# Altium PCB TI_PCB_COPY.PcbDoc
Units mm, origin at the board's own origin, x right, y up, seen from the top; angles counter-clockwise.
Board outline 184 x 161.42 mm, 2 copper layers (Top Layer, Bottom Layer); 81 components, 68 nets, 306 pads, 67 vias.
Unrouted connection lines stored in the file: 5.
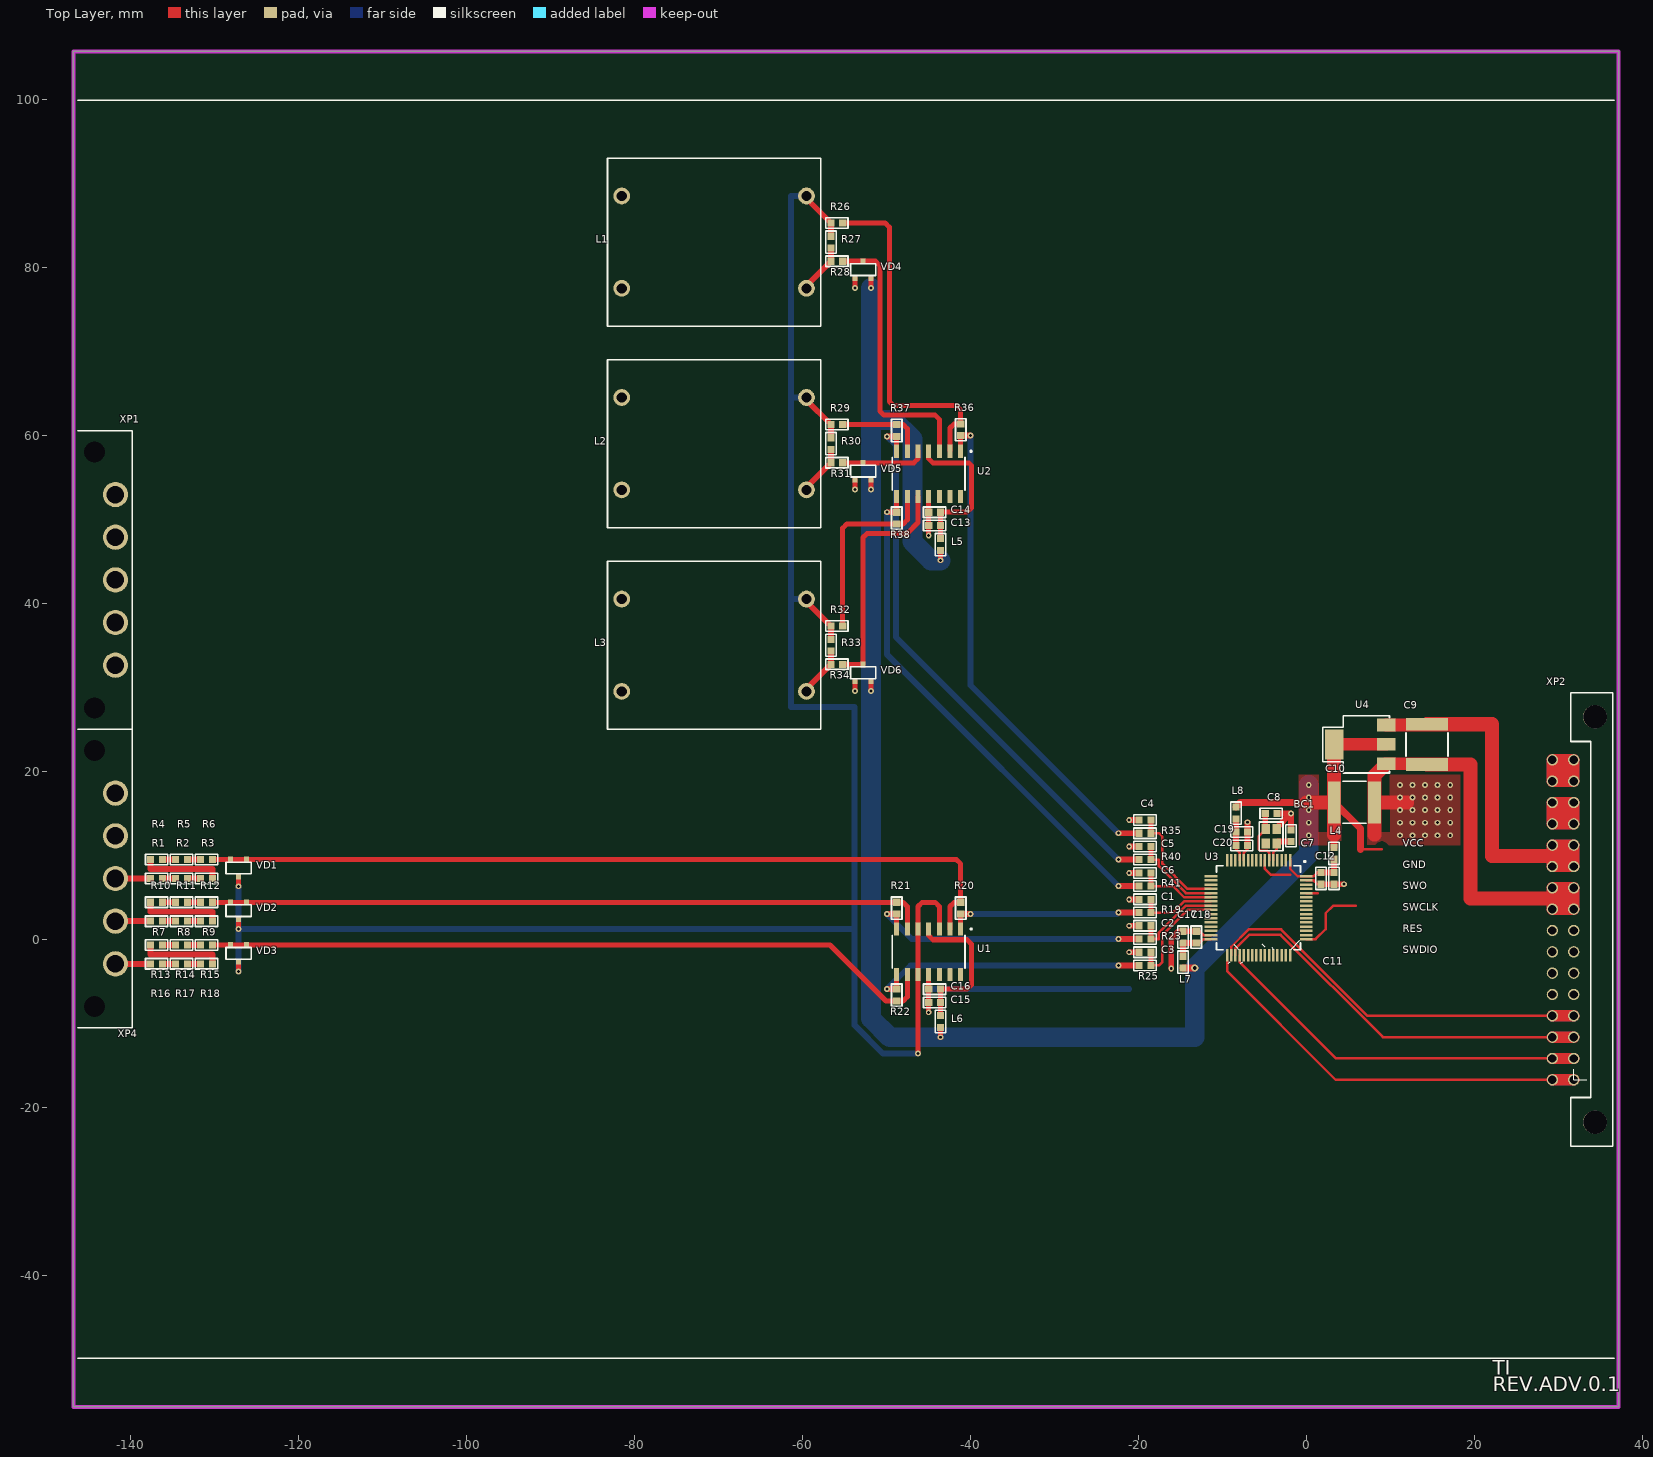
[diagram p0: Top Layer view]
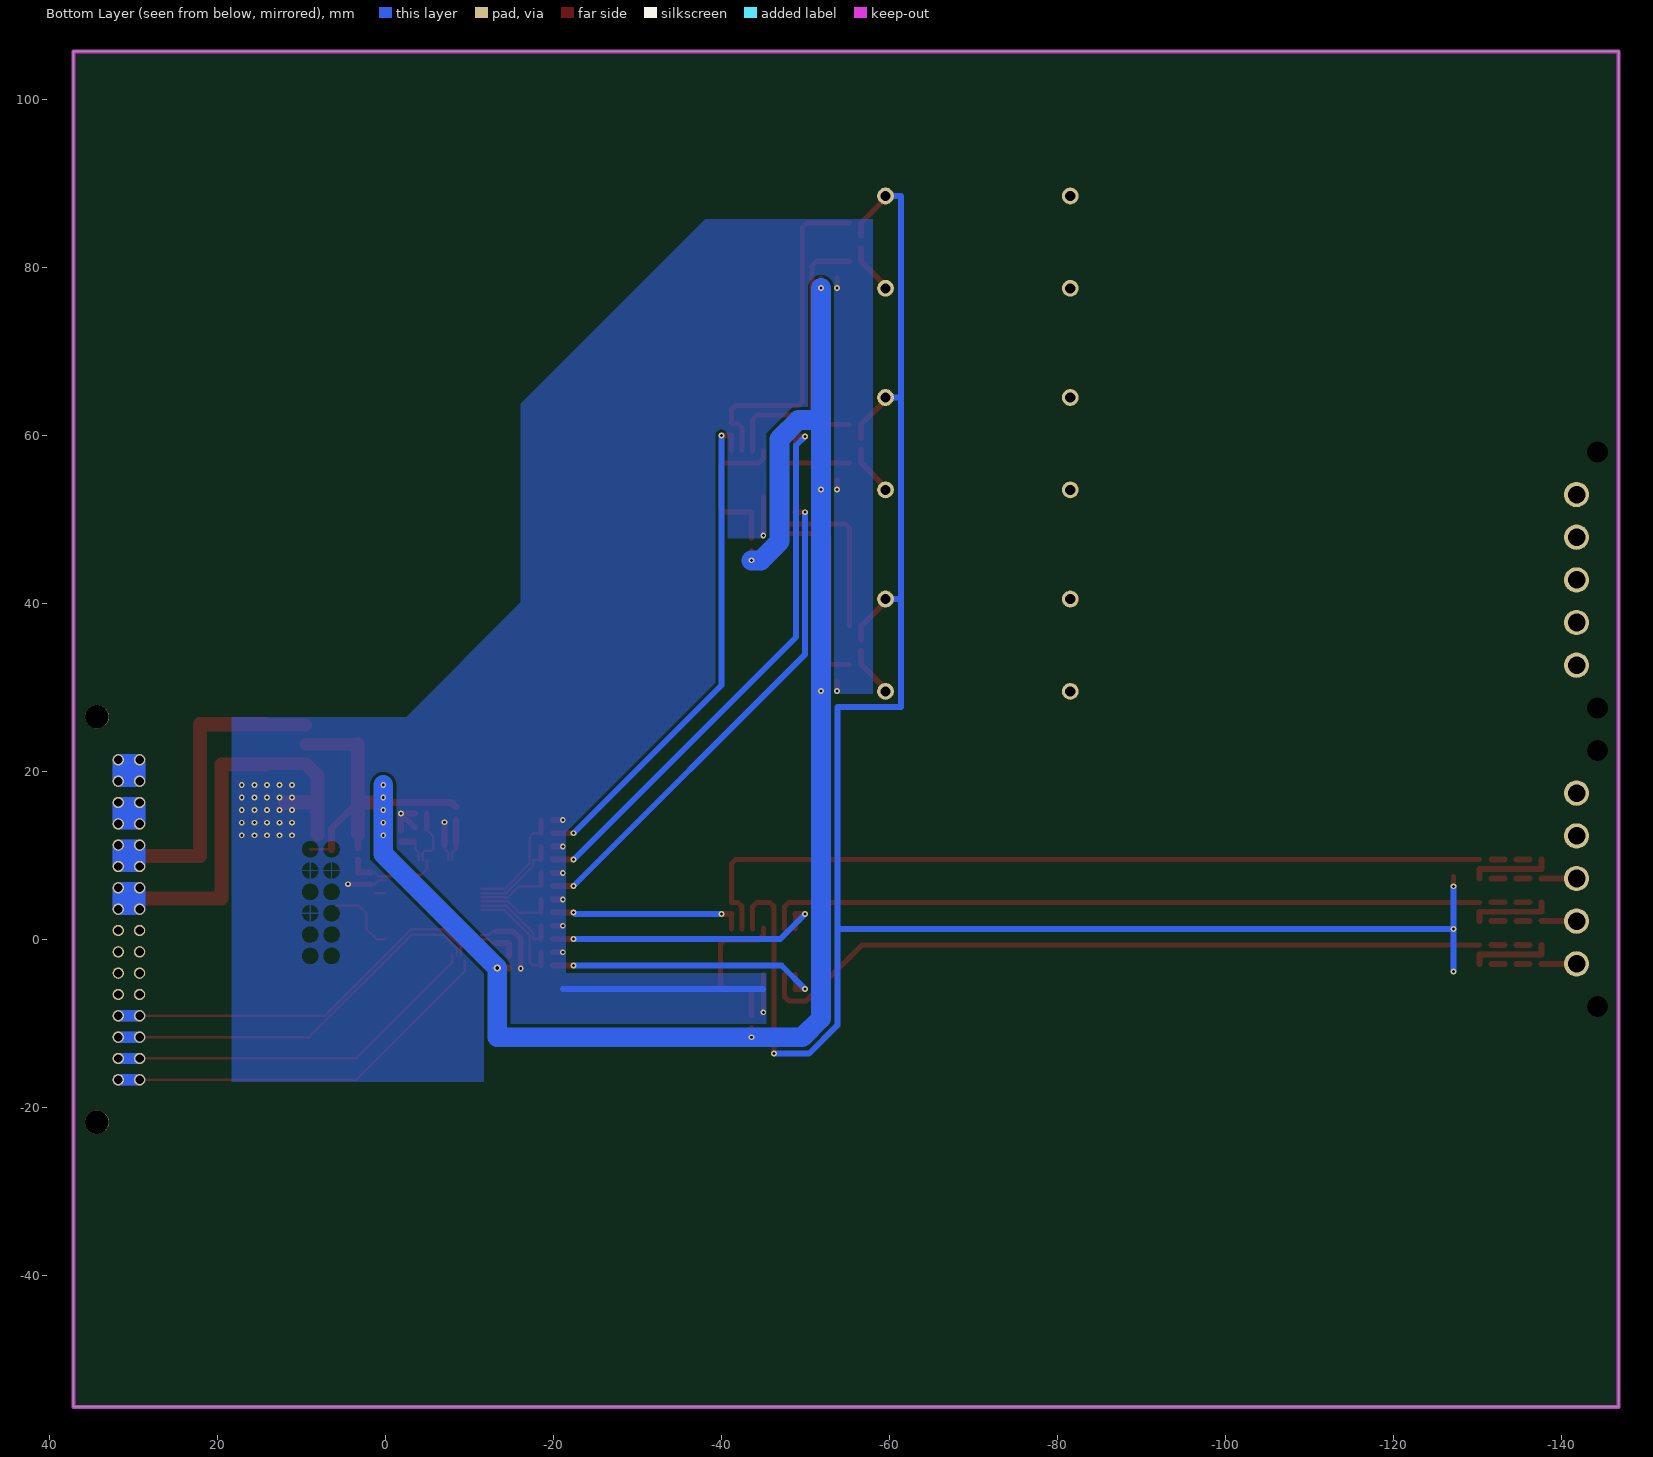
[diagram p1: Bottom Layer view, seen from below]
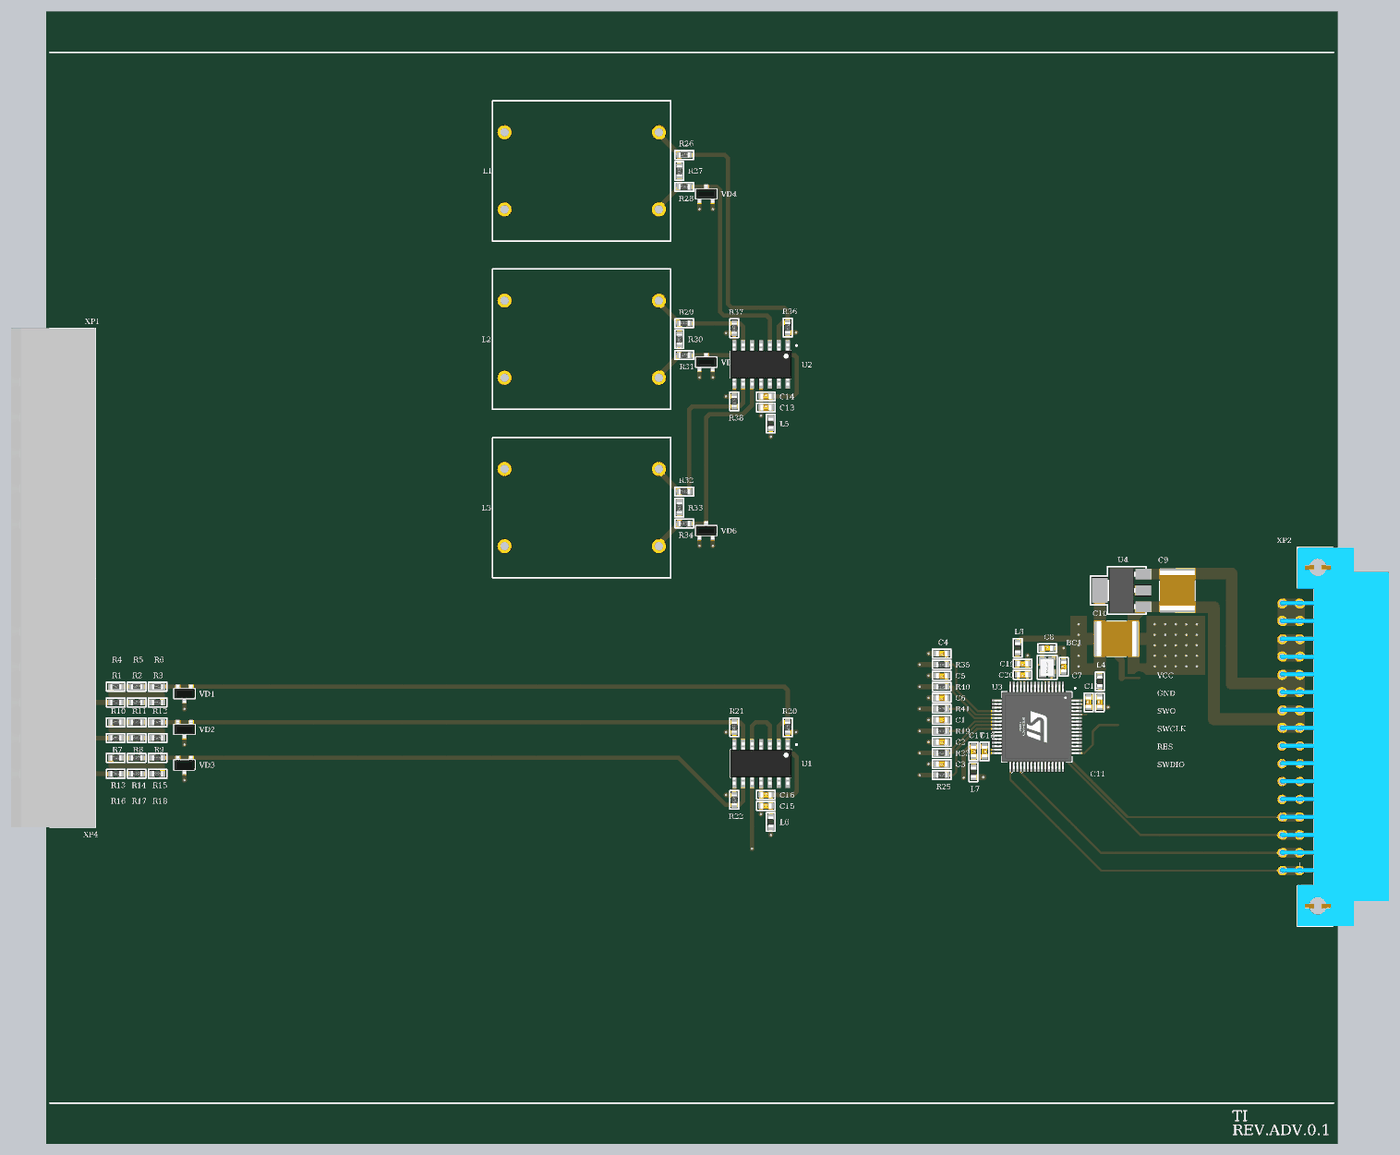
[diagram p2: 3D render of the assembled board from above, using the file's embedded part models]

## Layer stack, top to bottom
Top Solder: solder mask 0.0102, Solder Resist, Dk 3.5
Top Layer: signal copper 0.0356
Dielectric 1: dielectric 0.32, FR-4, Dk 4.8
Bottom Layer: signal copper 0.0356
Bottom Solder: solder mask 0.0102, Solder Resist, Dk 3.5

## Board outline
-146.801,-55.703 -146.801,105.72 37.199,105.72 37.199,-54.553 37.199,-55.703

## Design rules (kind name [scope] priority, off if disabled: settings)
BoardOutlineClearance [All] p1: gap=0.3 ignorepadtopadclearanceinfootprint=FALSE
Clearance Clearance_MultiLayerPad [OnLayer('Multi-Layer') and IsPad] p1: gap=0.2 ignorepadtopadclearanceinfootprint=FALSE except(0: Arc-Hole Track-Hole SMDPad-Hole THPad-Hole Via-Hole Fill-Hole Poly-Hole Region-Hole Text-Hole)
Clearance Clearance_Polygon [InPolygon] p2: gap=0.4 ignorepadtopadclearanceinfootprint=FALSE except(0: Arc-Hole Track-Hole SMDPad-Hole THPad-Hole Via-Hole Fill-Hole Poly-Hole Region-Hole Text-Hole)
Clearance [All] p3: gap=0.1 ignorepadtopadclearanceinfootprint=FALSE except(0: Arc-Hole Track-Hole SMDPad-Hole THPad-Hole Via-Hole Fill-Hole Poly-Hole Region-Hole Text-Hole)
ComponentClearance [All] p1: gap=0 collisioncheckmode=3 verticalgap=0 showdistances=FALSE
DiffPairsRouting [All] p1: maxlimit=0.3 minlimit=0.1 mostfreqgap=0.15 toplayer_minwidth=0.1 toplayer_maxwidth=0.3 toplayer_prefwidth=0.15 bottomlayer_minwidth=0.1 bottomlayer_maxwidth=0.3 bottomlayer_prefwidth=0.15 maxuncoupledlength=12.7
Height [All] p1: minheight=0 maxheight=50 prefheight=12.7
HoleSize [All] p1: absolutevalues=TRUE maxlimit=10 minlimit=0.3 maxpercent=80.000 minpercent=20.000
HoleToHoleClearance [All] p1: gap=0.3 allowstackedmicrovias=TRUE
MinimumSolderMaskSliver [All] p1: minsoldermaskwidth=0.2
PlaneClearance [All] p1: clearance=0.5
PlaneConnect [All] p1: planeconnectstyle=Relief reliefexpansion=0.5 reliefentries=4 reliefconductorwidth=0.2 reliefairgap=0.2
PolygonConnect PolygonConnect_PadGND [InNet('GND') and IsPad] p1: connectstyle=Relief reliefconductorwidth=0.2 reliefentries=4 polygonreliefangle="90 Angle" airgapwidth=0.2
PolygonConnect PolygonConnect_Via [IsVia] p2: connectstyle=Direct reliefconductorwidth=0.254 reliefentries=4 polygonreliefangle="90 Angle" airgapwidth=0.254
PolygonConnect [All] p3: connectstyle=Relief reliefconductorwidth=0.2 reliefentries=4 polygonreliefangle="90 Angle" airgapwidth=0.2
RoutingVias [All] p1: holewidth=0.2 width=0.4 viastyle="Through Hole" minholewidth=0.2 minwidth=0.4 maxholewidth=0.5 maxwidth=1.2
SilkToSolderMaskClearance [IsPad] p1: minsilkscreentomaskgap=0.2 clearancetoexposedcopper=TRUE
SolderMaskExpansion [All] p1: expansion=0.075 istentingtop=FALSE
Width [All] p1: maxlimit=10 minlimit=0.1 preferedwidth=0.1
21 further rules are at their usual default settings.

## Components (designator, comment, footprint, x,y, rotation, side; value= is the part's Value field where it differs from the comment)
BC1 "NX2520SA-24.000000MHZ-B8" XTAL_NX2520SA-24.000000MHZ-B8 -4.17,12.25 r90 top
C1 "ValueManufacturerPartNumber" "CAP: 0603" -19.198,4.75 r180 top
C2 "ValueManufacturerPartNumber" "CAP: 0603" -19.198,1.6 r180 top
C3 "ValueManufacturerPartNumber" "CAP: 0603" -19.198,-1.549 r180 top
C4 "ValueManufacturerPartNumber" "CAP: 0603" -19.198,14.199 r180 top
C5 "ValueManufacturerPartNumber" "CAP: 0603" -19.198,11.049 r180 top
C6 "ValueManufacturerPartNumber" "CAP: 0603" -19.198,7.9 r180 top
C7 "ValueManufacturerPartNumber" "CAP: 0603" -1.82,12.32 r90 top
C8 "ValueManufacturerPartNumber" "CAP: 0603" -4.17,14.97 r0 top
C9 "ValueManufacturerPartNumber" "CAP: 2220" 14.379,20.8 r180 top
C10 "ValueManufacturerPartNumber" "CAP: 2220" 8.13,16.3 r270 top
C11 "ValueManufacturerPartNumber" "CAP: 0603" 3.33,7.25 r90 top
C12 "ValueManufacturerPartNumber" "CAP: 0603" 1.755,7.25 r90 top
C13 "ValueManufacturerPartNumber" "CAP: 0603" -44.253,49.274 r0 top
C14 "ValueManufacturerPartNumber" "CAP: 0603" -44.253,50.849 r0 top
C15 "ValueManufacturerPartNumber" "CAP: 0603" -44.253,-7.526 r0 top
C16 "ValueManufacturerPartNumber" "CAP: 0603" -44.253,-5.951 r0 top
C17 "ValueManufacturerPartNumber" "CAP: 0603" -14.67,0.25 r270 top
C18 "ValueManufacturerPartNumber" "CAP: 0603" -13.095,0.25 r270 top
C19 "ValueManufacturerPartNumber" "CAP: 0603" -7.67,12.75 r180 top
C20 "ValueManufacturerPartNumber" "CAP: 0603" -7.67,11.175 r180 top
L1 "inductor" inductor -70.509,83.009 r90 top
L2 "inductor" inductor -70.509,59.009 r90 top
L3 "inductor" inductor -70.509,35.009 r90 top
L4 "ValueManufacturerPartNumber" "IND: 0603" 3.33,10.225 r90 top
L5 "ValueManufacturerPartNumber" "IND: 0603" -43.553,46.999 r270 top
L6 "ValueManufacturerPartNumber" "IND: 0603" -43.553,-9.8 r270 top
L7 "ValueManufacturerPartNumber" "IND: 0603" -14.67,-2.725 r270 top
L8 "ValueManufacturerPartNumber" "IND: 0603" -8.37,15.025 r90 top
R1 "ValueManufacturerPartNumber" "RES: 0603" -136.906,7.229 r0 top
R2 "ValueManufacturerPartNumber" "RES: 0603" -133.931,7.229 r0 top
R3 "ValueManufacturerPartNumber" "RES: 0603" -130.956,7.229 r0 top
R4 "ValueManufacturerPartNumber" "RES: 0603" -136.906,9.479 r0 top
R5 "ValueManufacturerPartNumber" "RES: 0603" -133.931,9.479 r0 top
R6 "ValueManufacturerPartNumber" "RES: 0603" -130.956,9.479 r0 top
R7 "ValueManufacturerPartNumber" "RES: 0603" -136.906,2.149 r0 top
R8 "ValueManufacturerPartNumber" "RES: 0603" -133.931,2.149 r0 top
R9 "ValueManufacturerPartNumber" "RES: 0603" -130.956,2.149 r0 top
R10 "ValueManufacturerPartNumber" "RES: 0603" -136.906,4.399 r0 top
R11 "ValueManufacturerPartNumber" "RES: 0603" -133.931,4.399 r0 top
R12 "ValueManufacturerPartNumber" "RES: 0603" -130.956,4.399 r0 top
R13 "ValueManufacturerPartNumber" "RES: 0603" -136.906,-2.931 r0 top
R14 "ValueManufacturerPartNumber" "RES: 0603" -133.931,-2.931 r0 top
R15 "ValueManufacturerPartNumber" "RES: 0603" -130.956,-2.931 r0 top
R16 "ValueManufacturerPartNumber" "RES: 0603" -136.906,-0.681 r0 top
R17 "ValueManufacturerPartNumber" "RES: 0603" -133.931,-0.681 r0 top
R18 "ValueManufacturerPartNumber" "RES: 0603" -130.956,-0.681 r0 top
R19 "ValueManufacturerPartNumber" "RES: 0603" -19.198,3.175 r180 top
R20 "ValueManufacturerPartNumber" "RES: 0603" -41.143,3.699 r270 top
R21 "ValueManufacturerPartNumber" "RES: 0603" -48.763,3.699 r90 top
R22 "ValueManufacturerPartNumber" "RES: 0603" -48.763,-6.651 r270 top
R23 "ValueManufacturerPartNumber" "RES: 0603" -19.198,0.025 r180 top
R25 "ValueManufacturerPartNumber" "RES: 0603" -19.198,-3.124 r0 top
R26 "ValueManufacturerPartNumber" "RES: 0603" -55.894,85.283 r0 top
R27 "ValueManufacturerPartNumber" "RES: 0603" -56.594,83.009 r90 top
R28 "ValueManufacturerPartNumber" "RES: 0603" -55.894,80.734 r0 top
R29 "ValueManufacturerPartNumber" "RES: 0603" -55.894,61.283 r0 top
R30 "ValueManufacturerPartNumber" "RES: 0603" -56.594,59.009 r90 top
R31 "ValueManufacturerPartNumber" "RES: 0603" -55.894,56.734 r0 top
R32 "ValueManufacturerPartNumber" "RES: 0603" -55.894,37.283 r0 top
R33 "ValueManufacturerPartNumber" "RES: 0603" -56.594,35.009 r90 top
R34 "ValueManufacturerPartNumber" "RES: 0603" -55.894,32.734 r0 top
R35 "ValueManufacturerPartNumber" "RES: 0603" -19.198,12.624 r180 top
R36 "ValueManufacturerPartNumber" "RES: 0603" -41.143,60.669 r270 top
R37 "ValueManufacturerPartNumber" "RES: 0603" -48.763,60.583 r90 top
R38 "ValueManufacturerPartNumber" "RES: 0603" -48.763,50.149 r270 top
R40 "ValueManufacturerPartNumber" "RES: 0603" -19.198,9.475 r180 top
R41 "ValueManufacturerPartNumber" "RES: 0603" -19.198,6.325 r0 top
U1 "MCP6004" MCP6004 -44.953,-1.476 r180 top
U2 "MCP6004" MCP6004 -44.953,55.409 r180 top
U3 "STM32F030R8T6" STM32F030R8T6 -5.67,3.75 r270 top
U4 "LD1117S33CTR" LD1117S33CTR 6.429,23.2 r180 top
VD1 "BAV99" BAV99 -127.131,8.479 r180 top
VD2 "BAV99" BAV99 -127.131,3.399 r180 top
VD3 "BAV99" BAV99 -127.131,-1.681 r180 top
VD4 "BAV99" BAV99 -52.769,79.734 r0 top
VD5 "BAV99" BAV99 -52.769,55.734 r0 top
VD6 "BAV99" BAV99 -52.769,31.734 r0 top
XP1 "MSTB 2.5 5-GF-5.08" "MSTB 2.5 5-GF-5.08" -145.801,42.789 r270 top
XP2 "DIN41612R (DS1118-32M-R23)" "DIN41612R (DS1118-32M-R23)" 36.759,2.349 r90 top
XP4 "MSTB 2.5 5-GF-5.08" "MSTB 2.5 5-GF-5.08" -145.801,7.229 r270 top

## Footprints (in the part's own frame and the unit in brackets; to place one, negate y for a bottom-side part, rotate by r counter-clockwise, add the part's x,y. Pads: shape width x height; smd on the part's side, far side on the other; paste and mask are expansions set on the pad)
BAV99 [mm] "BAV99"
  rect 0.6x0.7 smd: 1(-0.95,-1) 2(0.95,-1) 3(0,1)
  silkscreen extent -1.5,-0.7 1.5,0.7, body extent -1.5,-1.25 1.5,1.25, height 1.05
"CAP: 0603" [mm]
  rect 0.85x0.85 smd: 1(-0.7,0) 2(0.7,0)
  silkscreen extent -1.33,-0.63 1.33,0.63, body extent -0.8,-0.4 0.8,0.4, height 0.3
"CAP: 2220" [mm]
  rect 5x1.5 smd: 1(0,0) 2(0,-4.8)
  silkscreen extent -2.5,-3.75 2.5,-1, body extent -2.5,-5.25 2.5,0.45, height 2.3
"DIN41612R (DS1118-32M-R23)" [mm] "DIN41612R (DS1118-32M-R23)"
  round 1.35 hole 1: 1(-19.091,7.439) 2(-19.091,4.899) 3(-16.551,7.439) 4(-16.551,4.899) 5(-14.011,7.439) 6(-14.011,4.899) 7(-11.471,7.439) 8(-11.471,4.899) 9(-8.931,7.439) 10(-8.931,4.899) 11(-6.391,7.439) 12(-6.391,4.899) 13(-3.851,7.439) 14(-3.851,4.899) 15(-1.311,7.439) 16(-1.311,4.899) 17(1.229,7.439) 18(1.229,4.899) 19(3.769,7.439) 20(3.769,4.899) 21(6.309,7.439) 22(6.309,4.899) 23(8.849,7.439) 24(8.849,4.899) 25(11.389,7.439) 26(11.389,4.899) 27(13.929,7.439) 28(13.929,4.899) 29(16.469,7.439) 30(16.469,4.899) 31(19.009,7.439) 32(19.009,4.899)
  round 2.79 hole 2.79 unplated: ""(-24.131,2.359) ""(24.131,2.359)
  silkscreen extent -27,0.25 27,5.26, body extent -27,-7.74 27,7.74, height 4.34
"IND: 0603" [mm]
  rect 0.85x0.85 smd: 1(-0.7,0) 2(0.7,0)
  silkscreen extent -1.33,-0.63 1.33,0.63, body extent -0.8,-0.4 0.8,0.4, height 0.8
inductor [mm] "inductor"
  round 2 hole 1.2: 0(-5.5,-11) 1(5.5,-11) ""(-5.5,11) ""(5.5,11)
  silkscreen extent -10,-12.7 10,12.7
LD1117S33CTR [mil] "LD1117S33CTR"
  rect 88x59.06 smd: 1(-122,91) 2(-122,0) 3(-122,-91)
  rect 86.61x141.73 smd: 4(122.01,0)
  silkscreen extent -138,-134 175,134, body extent -138,-128 138,128, height 35
MCP6004 [mm] "MCP6004"
  rect 0.6x1.55 smd: 1(-3.81,-2.7) 2(-2.54,-2.7) 3(-1.27,-2.7) 4(0,-2.7) 5(1.27,-2.7) 6(2.54,-2.7) 7(3.81,-2.7) 8(3.81,2.7) 9(2.54,2.7) 10(1.27,2.7) 11(0,2.7) 12(-1.27,2.7) 13(-2.54,2.7) 14(-3.81,2.7)
  silkscreen extent -5.15,-2.8 4.33,1.95, body extent -4.37,-3 4.38,3, height 1.75
"MSTB 2.5 5-GF-5.08" [mm] "MSTB 2.5 5-GF-5.08"
  round 3 hole 2.1: 1(-10.16,4) 2(-5.08,4) 3(0,4) 4(5.08,4) 5(10.16,4)
  round 0 hole 2.5: ""(-15.24,1.5) ""(15.24,1.5)
  silkscreen extent -17.78,-0.5 17.78,6, body extent -17.78,-6 17.78,6, height 8.7
"RES: 0603" [mm]
  rect 0.85x0.85 smd: 1(-0.7,0) 2(0.7,0)
  silkscreen extent -1.33,-0.63 1.33,0.63, body extent -0.8,-0.4 0.8,0.4, height 0.44
STM32F030R8T6 [mm] "STM32F030R8T6"
  rect 1.5x0.3 smd: 1(-5.67,3.75) 2(-5.67,3.25) 3(-5.67,2.75) 4(-5.67,2.25) 5(-5.67,1.75) 6(-5.67,1.25) 7(-5.67,0.75) 8(-5.67,0.25) 9(-5.67,-0.25) 10(-5.67,-0.75) 11(-5.67,-1.25) 12(-5.67,-1.75) 13(-5.67,-2.25) 14(-5.67,-2.75) 15(-5.67,-3.25) 16(-5.67,-3.75) 33(5.67,-3.75) 34(5.67,-3.25) 35(5.67,-2.75) 36(5.67,-2.25) 37(5.67,-1.75) 38(5.67,-1.25) 39(5.67,-0.75) 40(5.67,-0.25) 41(5.67,0.25) 42(5.67,0.75) 43(5.67,1.25) 44(5.67,1.75) 45(5.67,2.25) 46(5.67,2.75) 47(5.67,3.25) 48(5.67,3.75)
  rect 0.3x1.5 smd: 17(-3.75,-5.67) 18(-3.25,-5.67) 19(-2.75,-5.67) 20(-2.25,-5.67) 21(-1.75,-5.67) 22(-1.25,-5.67) 23(-0.75,-5.67) 24(-0.25,-5.67) 25(0.25,-5.67) 26(0.75,-5.67) 27(1.25,-5.67) 28(1.75,-5.67) 29(2.25,-5.67) 30(2.75,-5.67) 31(3.25,-5.67) 32(3.75,-5.67) 49(3.75,5.67) 50(3.25,5.67) 51(2.75,5.67) 52(2.25,5.67) 53(1.75,5.67) 54(1.25,5.67) 55(0.75,5.67) 56(0.25,5.67) 57(-0.25,5.67) 58(-0.75,5.67) 59(-1.25,5.67) 60(-1.75,5.67) 61(-2.25,5.67) 62(-2.75,5.67) 63(-3.25,5.67) 64(-3.75,5.67)
  silkscreen extent -5.6,-5 5,5.6, body extent -6,-6 6,6, height 1.6
XTAL_NX2520SA-24.000000MHZ-B8 [mm]
  rect 1.2x1 smd: 1(-0.85,-0.65) 2(0.85,-0.65) 3(0.85,0.65) 4(-0.85,0.65)
  silkscreen extent -1.7,-1.4 1.7,1.4, body extent -1.25,-1 1.25,1, height 0.7

## Part data
BC1: "24MHz A±10ppm Crystal 10pF 100 Ohms 4-SMD, No Lead"
C1 C2 C3 C4 C5 C6 C7 C8 C11 C12 C13 C14 C15 C16 C17 C18 C19 C20: library part Ceramic_0603
C9 C10: library part Ceramic_2220
L4 L5 L6 L7 L8: library part Inductor_0603
R1 R2 R3 R4 R5 R6 R7 R8 R9 R10 R11 R12 R13 R14 R15 R16 R17 R18 R19 R20 R21 R22 R23 R25 R26 R27 R28 R29 R30 R31 R32 R33 R34 R35 R36 R37 R38 R40 R41: library part Resistor_0603
U4: "Linear Voltage Regulator IC 1 Output 800mA SOT-223"
XP1 XP4: library part "MSTB 2,5 5-GF-5,08"

## Via types
v1: diameter 0.7, hole 0.35, Top Layer to Bottom Layer, tented both sides, 66 vias
v2: diameter 0.85, hole 0.425, Top Layer to Bottom Layer, tented both sides, 1 vias

## Nets (pads, with @x,y where several pads share a name; then routed paths per layer and width w, separated by ;. In a path a pad name is that pad's centre, name@x,y a point inside that pad or via, vN(x,y) a via of type N, cw(c..) or ccw(c..) an arc to the next point about the centre after c; other vN are vias at no path point)
2: XP1.2
4: XP1.4
6: XP4.1
ADC_IN4: C4.1 R35.1 U3.20 | length 17.1
  Top Layer w0.3: -17.541,12.624 R35.1 -17.541,12.624 ; -17.541,12.624 -17.122,12.205 -17.122,9.004 -14.118,6 ; -14.118,6 U3.20 -14.118,6
  Top Layer w0.6: R35.1 C4.1
ADC_IN5: C5.1 R40.1 U3.21 | length 13.8
  Top Layer w0.3: R40.1 -17.541,9.475 -17.541,8.715 -14.325,5.5 ; -14.325,5.5 U3.21 -14.325,5.5
  Top Layer w0.6: R40.1 C5.1
ADC_IN6: C6.1 R41.2 U3.22 | length 12.5
  Top Layer w0.3: R41.2 -15.857,6.325 -14.532,5 ; -14.532,5 U3.22 -14.532,5
  Top Layer w0.6: R41.2 C6.1
ADC_IN7: C1.1 R19.1 U3.23 | length 9.3
  Top Layer w0.3: R19.1 -15.857,3.175 -14.532,4.5 U3.23
  Top Layer w0.6: R19.1 C1.1
ADC_IN14: C2.1 R23.1 U3.24 | length 10.8
  Top Layer w0.3: R23.1 -17.541,0.025 -17.541,0.785 -14.325,4 U3.24
  Top Layer w0.6: R23.1 C2.1
ADC_IN15: C3.1 R25.2 U3.25 | length 13.4
  Top Layer w0.3: R25.2 -17.541,-3.124 -17.122,-2.705 -17.122,0.496 -14.118,3.5 U3.25
  Top Layer w0.6: R25.2 C3.1
AMP_IN+: L1.1 L2.1 L3.1 R26.1 R27.2 R29.1 R30.2 R32.1 R33.2 U1.3 U1.5 U1.10 VD1.3 VD2.3 VD3.3 | length 248.8
  Top Layer w0.6: v1(-127.131,-3.859) VD3.3 ; v1(-127.131,1.221) VD2.3 ; v1(-127.131,6.301) VD1.3 ; v1(-46.223,-13.628) U1.10 U1.5 -46.223,3.903 -45.727,4.399 -44.179,4.399 -43.683,3.903 U1.3
  Top Layer w0.7: L3.1 -59.509,40.198 R32.1 R33.2 ; L2.1 -59.509,64.198 R29.1 R30.2 ; L1.1@-59.509,88.198 R26.1 R27.2
  Bottom Layer w0.7: v1(-127.131,-3.859) v1(-127.131,1.221) ; v1(-127.131,6.301) v1(-127.131,1.221) ; L3.1 -61.359,40.509 ; L2.1 -61.359,64.509 ; L1.1 -61.359,88.509 -61.359,64.509 ; v1(-46.223,-13.628) -50.393,-13.628 -53.77,-10.251 -53.77,1.221 ; v1(-127.131,1.221) -53.77,1.221 ; -61.359,40.509 -61.359,64.509 ; -61.359,40.509 -61.359,27.659 -53.77,27.659 -53.77,1.221
AMP_IN_A+_2: R28.2 U2.3 VD4.3 | length 33.3
  Top Layer w0.6: R28.2 VD4.3 -51.266,80.734 -50.77,80.238 -50.77,62.904 -50.274,62.408 -44.179,62.408 -43.683,61.912 U2.3
AMP_IN_A-: R6.2 R20.1 U1.2 VD1.1 VD1.2 | length 98.1
  Top Layer w0.6: R6.2 VD1.2 VD1.1 -41.639,9.479 -41.143,8.983 R20.1 -41.917,4.399 -42.413,3.903 U1.2
AMP_IN_A-_2: R26.2 R36.1 U2.2 | length 41.2
  Top Layer w0.6: R26.2 -50.141,85.283 -49.645,84.787 -49.645,64.029 -49.149,63.533 -41.639,63.533 -41.143,63.037 R36.1 -41.917,61.369 -42.413,60.873 U2.2@-42.413,58.194
AMP_IN_B+_2: R31.2 U2.5 VD5.3 | length 10.1
  Top Layer w0.6: R31.2 VD5.3 -46.719,56.734 -46.223,57.23 U2.5
AMP_IN_B-: R12.2 R21.2 U1.6 VD2.1 VD2.2 | length 85.6
  Top Layer w0.6: R12.2 VD2.2 VD2.1 R21.2 -47.989,4.399 -47.493,3.903 U1.6
AMP_IN_B-_2: R29.2 R37.2 U2.6 | length 10.6
  Top Layer w0.6: R29.2 R37.2 -47.989,61.283 -47.493,60.787 U2.6
AMP_IN_C+_2: R34.2 U2.10 VD6.3 | length 27.9
  Top Layer w0.6: R34.2 VD6.3 -52.77,47.828 -52.274,48.324 -47.523,48.324 -46.223,49.624 U2.10
AMP_IN_C-: R18.2 R22.2 U1.9 VD3.1 VD3.2 | length 88.4
  Top Layer w0.6: R18.2 VD3.2 VD3.1 -56.695,-0.681 -50.025,-7.351 R22.2 -47.989,-7.351 -47.493,-6.855 U1.9
AMP_IN_C-_2: R32.2 R38.2 U2.9 | length 22.5
  Top Layer w0.6: R32.2 -55.194,48.953 -54.698,49.449 R38.2 -47.989,49.449 -47.493,49.945 U2.9@-47.493,52.623
GND_???: BC1.2 BC1.4 C1.2 C2.2 C3.2 C4.2 C5.2 C6.2 C7.2 C8.2 C9.1 C10.1 C11.1 C12.1 C13.1 C14.1 C15.1 C16.1 C17.1 C18.1 C19.1 C20.1 U1.11 U2.11 U3.12 U3.31 U3.63 U4.1 VD4.1 VD5.1 VD6.1 XP2.17 XP2.18 XP2.19 XP2.20 XP2.25 XP2.26 XP2.27 XP2.28 | length 157.1
  Top Layer w0.3: C18.1 -12.685,0.95 -12.235,0.5 U3.31 ; U3.12 -7.42,10.315 -6.97,10.765 C20.1 ; U3.63 0.895,7 1.345,6.55 C12.1
  Top Layer w0.6: v1(-53.72,29.556) VD6.1 ; v1(-53.72,53.556) VD5.1 ; v1(-53.72,77.556) VD4.1 ; v1(-44.954,48.096) C13.1 ; v1(-44.953,-8.703) C15.1 C16.1 U1.11 ; C13.1 C14.1 U2.11
  Top Layer w0.7: v1(-21.076,-1.549) C3.2 ; v1(-21.076,1.6) C2.2 ; v1(-21.076,4.75) C1.2 ; v1(-21.076,7.9) C6.2 ; v1(-21.076,11.049) C5.2 ; v1(-21.076,14.199) C4.2 ; v1(-16.07,-3.51) -16.07,0.061 -15.18,0.95 C18.1 ; C20.1 v1(-6.97,13.927) ; BC1.2@-3.52,13.27 v1(-1.82,14.97) ; C8.2 v1(-1.82,14.97) ; C7.2 v1(-1.82,14.97) ; C12.1 v1(4.507,6.55) ; XP2.27 XP2.27@29.52,16.279
  Top Layer w1.35: XP2.17 XP2.19 ; XP2.25 XP2.27 ; XP2.17 XP2.18 XP2.20 ; XP2.19 XP2.20 ; XP2.25 XP2.26 XP2.28 ; XP2.27 XP2.28
  Top Layer w1.5: U4.1 C9.1@14.29,20.889
  Top Layer w1.676: 8.13,12.446 C10.1 ; U4.1@9.436,20.797 8.13,19.491 C10.1 ; 11.985,16.3 C10.1 ; C9.1 19.58,20.8 19.58,4.849 29.32,4.849
  Bottom Layer w0.5: XP2.19@29.32,5.894 XP2.19 ; XP2.27@29.32,16.054 XP2.27
  Bottom Layer w0.7: -44.953,-5.951 -21.076,-5.951
  Bottom Layer w1.35: XP2.19 XP2.17 XP2.18 XP2.20 XP2.19@29.52,6.119 ; XP2.27 XP2.25 XP2.26 XP2.28 XP2.27@29.52,16.279
  other v1: 11.155,12.375 12.655,12.375 14.155,12.375 15.655,12.375 17.155,12.375 11.155,13.875 12.655,13.875 14.155,13.875 15.655,13.875 17.155,13.875 11.155,15.375 12.655,15.375 14.155,15.375 15.655,15.375 17.155,15.375 11.155,16.875 12.655,16.875 14.155,16.875 15.655,16.875 17.155,16.875 11.155,18.378 12.655,18.378 14.155,18.375 15.655,18.375 17.155,18.378
IA: XP1.1
IB: XP1.3
IC: XP1.5
N: XP4.2
NetL1_0: L1.0 R27.1 R28.1 | length 6
  Top Layer w0.7: L1.0 -59.509,77.82 R28.1 R27.1
NetL2_0: L2.0 R30.1 R31.1 | length 6
  Top Layer w0.7: L2.0 -59.509,53.82 R31.1 R30.1
NetL3_0: L3.0 R33.1 R34.1 | length 6
  Top Layer w0.7: L3.0 -59.509,29.82 R34.1 R33.1
NetR1_2: R1.2 R2.1 | length 1.6
  Top Layer w0.7: R1.2 R2.1
NetR2_2: R2.2 R3.1 | length 1.6
  Top Layer w0.7: R2.2 R3.1
NetR3_2: R3.2 R4.1 | length 9.6
  Top Layer w0.7: R4.1 -137.606,8.354 -130.256,8.354 R3.2
NetR4_2: R4.2 R5.1 | length 1.6
  Top Layer w0.7: R4.2 R5.1
NetR5_2: R5.2 R6.1 | length 1.6
  Top Layer w0.7: R5.2 R6.1
NetR7_2: R7.2 R8.1 | length 1.6
  Top Layer w0.7: R7.2 R8.1
NetR8_2: R8.2 R9.1 | length 1.6
  Top Layer w0.7: R8.2 R9.1
NetR9_2: R9.2 R10.1 | length 9.6
  Top Layer w0.7: R10.1 -137.606,3.274 -130.256,3.274 R9.2
NetR10_2: R10.2 R11.1 | length 1.6
  Top Layer w0.7: R10.2 R11.1
NetR11_2: R11.2 R12.1 | length 1.6
  Top Layer w0.7: R11.2 R12.1
NetR13_2: R13.2 R14.1 | length 1.6
  Top Layer w0.7: R13.2 R14.1
NetR14_2: R14.2 R15.1 | length 1.6
  Top Layer w0.7: R14.2 R15.1
NetR15_2: R15.2 R16.1 | length 9.6
  Top Layer w0.7: R16.1 -137.606,-1.806 -130.256,-1.806 R15.2
NetR16_2: R16.2 R17.1 | length 1.6
  Top Layer w0.7: R16.2 R17.1
NetR17_2: R17.2 R18.1 | length 1.6
  Top Layer w0.7: R17.2 R18.1
NetR19_2: R19.2 R20.2 U1.1 | length 23.1
  Top Layer w0.6: U1.1 R20.2
  Top Layer w0.7: R20.2 v1(-39.966,2.999) ; v1(-22.346,3.175) R19.2
  Bottom Layer w0.7: v1(-39.966,2.999) -22.522,2.999 v1(-22.346,3.175)
NetR21_1: R21.1 R23.2 U1.7 | length 34.2
  Top Layer w0.6: U1.7 R21.1
  Top Layer w0.7: v1(-49.941,2.999) R21.1 ; v1(-22.346,0.025) R23.2
  Bottom Layer w0.7: v1(-49.941,2.999) -46.967,0.025 v1(-22.346,0.025)
NetR22_1: R22.1 R25.1 U1.8 | length 34.2
  Top Layer w0.6: R22.1 U1.8
  Top Layer w0.7: v1(-49.941,-5.951) R22.1 ; v1(-22.346,-3.124) R25.1
  Bottom Layer w0.7: v1(-49.941,-5.951) -47.114,-3.124 v1(-22.346,-3.124)
NetR35_2: R35.2 R36.2 U2.1 | length 60
  Top Layer w0.6: U2.1@-41.143,58.194 R36.2
  Top Layer w0.7: R36.2 v1(-39.966,59.969) ; v1(-22.346,12.624) R35.2
  Bottom Layer w0.7: v1(-39.966,59.969) -39.966,30.245 v1(-22.346,12.624)
NetR37_1: R37.1 R40.2 U2.7 | length 67.2
  Top Layer w0.6: U2.7 R37.1
  Top Layer w0.7: v1(-49.941,59.883) R37.1 ; v1(-22.346,9.475) R40.2
  Bottom Layer w0.7: v1(-49.941,59.883) -48.841,58.783 -48.841,35.969 v1(-22.346,9.475)
NetR38_1: R38.1 R41.1 U2.8 | length 61.4
  Top Layer w0.6: R38.1 U2.8@-48.763,52.623
  Top Layer w0.7: v1(-49.941,50.849) R38.1 ; v1(-22.346,6.325) R41.1
  Bottom Layer w0.7: v1(-49.941,50.849) -49.941,33.92 v1(-22.346,6.325)
NetR42_2: U3.60 | length 1.4
  Top Layer w0.3: U3.60 1.405,5.5
OSC_IN: BC1.1 C7.1 U3.5 | length 3.9
  Top Layer w0.3: U3.5 -3.92,10.315 -3.52,10.715 BC1.1 ; BC1.1@-3.52,11.47 BC1.1@-3.37,11.62
  Top Layer w0.7: BC1.1@-3.37,11.62 C7.1
OSC_OUT: BC1.3 C8.1 U3.6 | length 6.8
  Top Layer w0.3: BC1.3 -5.67,12.25 -5.67,10.75 -5.44,10.52 -4.625,10.52 -4.42,10.315 U3.6
  Top Layer w0.7: C8.1 -4.87,13.22 BC1.3@-4.82,13.17
RESET: U3.7 | length 4.3
  Top Layer w0.3: U3.7 -4.92,8.375 -4.195,7.65 -1.92,7.65
S1: U3.29
SPI_2_CS: U3.33 XP2.1 XP2.2 | length 50.4
  Top Layer w0.3: U3.33@-9.42,-2.608 -9.42,-3.797 3.524,-16.741 XP2.1
  Top Layer w1.35: XP2.1 XP2.2
  Bottom Layer w1.35: XP2.1 XP2.2
SPI_2_MISO: U3.35 XP2.5 XP2.6 | length 49.4
  Top Layer w0.3: U3.35 -8.42,-1.103 -6.792,0.525 -3.048,0.525 9.139,-11.661 XP2.5
  Top Layer w1.35: XP2.5 XP2.6
  Bottom Layer w1.35: XP2.5 XP2.6
SPI_2_MOSI: U3.36 XP2.3 XP2.4 | length 47.9
  Top Layer w0.3: U3.36 -7.92,-2.737 3.544,-14.201 XP2.3
  Top Layer w1.35: XP2.3 XP2.4
  Bottom Layer w1.35: XP2.3 XP2.4
SPI_2_SCK: U3.34 XP2.7 XP2.8 | length 49.5
  Top Layer w0.3: U3.34 -8.92,-0.896 -6.849,1.175 -2.991,1.175 7.306,-9.121 XP2.7
  Top Layer w1.35: XP2.7 XP2.8
  Bottom Layer w1.35: XP2.7 XP2.8
SWCLK: U3.49 | length 8.7
  Top Layer w0.3: U3.49 1.124,0 2.33,1.207 2.33,3.1 3.23,4 5.929,4
SWDIO: U3.46
SWO: U3.55
UA: R1.1 XP4.3 | length 4.2
  Top Layer w0.7: XP4.3 R1.1
UB: R7.1 XP4.4 | length 4.2
  Top Layer w0.7: XP4.4 R7.1
UC: R13.1 XP4.5 | length 4.2
  Top Layer w0.7: XP4.5 R13.1
VCC_3.3V: C10.2 L4.2 L5.2 L6.2 L7.2 L8.2 U4.2 U4.4 VD4.2 VD5.2 VD6.2 | length 242
  Top Layer w0.3: 6.46,10.716 7.73,10.716 9,10.716
  Top Layer w0.6: v1(-51.82,29.556) VD6.2 ; v1(-51.82,53.556) VD5.2 ; v1(-51.82,77.556) VD4.2 ; v1(-43.553,-11.678) L6.2 ; v1(-43.553,45.122) L5.2
  Top Layer w0.85: L7.2 v2(-13.27,-3.425) ; L8.2 -7.795,16.3 C10.2 ; L4.2 C10.2 ; 6.46,10.716 6.46,13.171 C10.2
  Top Layer w1.5: U4.4 U4.2
  Top Layer w1.676: 0.039,16.3 C10.2 ; 3.33,12.446 C10.2 ; 3.33,19.491 C10.2 ; U4.4 C10.2
  Bottom Layer w2.373: -51.82,61.82 -49.138,61.82 -46.904,59.585 -46.904,47.356 -44.67,45.122 v1(-43.553,45.122) ; v1(-51.82,77.556) v1(-51.82,53.556) v1(-51.82,29.556) -51.82,-9.443 -49.585,-11.678 v1(-43.553,-11.678) -13.27,-11.678 -13.27,-7.784 v2(-13.27,-3.425) 0.305,10.15 v1(0.305,18.378)
  other v1: 0.305,12.375 0.305,13.875 0.305,15.375 0.305,16.875
VCC_3.3V_CLEAR: C11.2 C12.2 C13.2 C14.2 C15.2 C16.2 C17.2 C18.2 L4.1 L5.1 L6.1 L7.1 U1.4 U2.4 U3.1 U3.32 U3.64 | length 50.2
  Top Layer w0.3: C18.2 -12.685,-0.45 -12.235,0 U3.32 ; U3.1 -1.92,8.39 -1.03,7.5 0.895,7.5 1.345,7.95 C12.2
  Top Layer w0.6: U1.4@-44.953,1.309 U1.4 -44.953,0.43 -44.457,-0.066 -40.369,-0.066 -39.873,-0.562 -39.873,-5.455 -40.369,-5.951 C16.2 C15.2 L6.1 ; U2.4 -44.953,57.23 -44.457,56.734 -40.173,56.734 -39.873,56.434 -39.873,51.345 -40.369,50.849 C14.2 C13.2 L5.1
  Top Layer w0.7: L7.1 C17.2 C18.2 ; C12.2 C11.2 L4.1
VCC_5V: C9.2 U4.3 XP2.21 XP2.22 XP2.23 XP2.24 | length 55.7
  Top Layer w1.35: XP2.23 29.32,9.929 XP2.21 XP2.22 XP2.24 XP2.23
  Top Layer w1.5: U4.3 C9.2@14.29,25.512
  Top Layer w1.676: C9.2 22.119,25.6 22.119,9.929 29.32,9.929
  Bottom Layer w0.5: XP2.23@29.32,10.974 XP2.23
  Bottom Layer w1.35: XP2.23 XP2.21 XP2.22 XP2.24 XP2.23@29.52,11.199
VCC_12V: XP2.29 XP2.30 XP2.31 XP2.32 | length 20.4
  Top Layer w0.8: XP2.31@29.32,21.559 XP2.31@29.52,21.359
  Top Layer w1.35: XP2.29 XP2.31 ; XP2.29 XP2.30 XP2.32 XP2.31@29.52,21.359
  Bottom Layer w0.5: XP2.31@29.32,21.134 XP2.31
  Bottom Layer w1.35: XP2.31 XP2.29 XP2.30 XP2.32 XP2.31@29.52,21.359
VCCA_3.3V_CLEAR: C19.2 C20.2 L8.1 U3.13 | length 10.2
  Top Layer w0.3: C20.2@-8.37,10.765 -7.92,10.315 ; C20.2@-8.37,10.765 C20.2 C20.2@-8.37,10.765 ; C20.2@-8.37,10.765 -7.92,10.315 ; -7.92,10.315 U3.13 -7.92,10.315
  Top Layer w0.7: C19.2 C20.2 C19.2 ; C19.2 L8.1 C19.2
pads on no net: L1. L2. L3. U1.12 U1.13 U1.14 U2.12 U2.13 U2.14 U3.2 U3.3 U3.4 U3.8 U3.9 U3.10 U3.11 U3.14 U3.15 U3.16 U3.17 U3.18 U3.19 U3.26 U3.27 U3.28 U3.30 U3.37 U3.38 U3.39 U3.40 U3.41 U3.42 U3.43 U3.44 U3.45 U3.47 U3.48 U3.50 U3.51 U3.52 U3.53 U3.54 U3.56 U3.57 U3.58 U3.59 U3.61 U3.62 XP1. XP2. XP2.9 XP2.10 XP2.11 XP2.12 XP2.13 XP2.14 XP2.15 XP2.16 XP4.

## Polygon pours and split planes (outlines as drawn)
VCC_3.3V on Top Layer "VCC_3.3V_L01_P068" (solid, pour order 68): 4.168,19.562 -0.882,19.562 -0.882,11.188 4.168,11.188
GND_??? on Top Layer "GND_???_L01_P070" (solid, pour order 70): 7.292,19.562 18.342,19.563 18.342,11.188 7.292,11.188
GND_??? on Bottom Layer "1" (solid, pour order 76): 18.342,26.439 18.342,-16.991 -11.683,-16.991 -11.684,-4.082 1.892,9.493 1.892,18.378 -1.281,18.378 -1.281,8.564 -14.857,-5.011 -14.857,-10.091 -45.303,-10.091 -45.303,-4.082 -21.422,-4.082 -21.422,12.762 -39.216,30.555 -39.216,47.746 -44.954,47.746 -45.303,48.096 -45.303,60.249 -48.475,63.421 -50.219,63.421 -50.219,77.556 -53.369,77.556 -53.37,29.206 -58.008,29.206 -58.009,85.708 -38.069,85.708 -16.098,63.737 -16.098,40.131 -2.405,26.438

## Keep-outs
Keep-Out Layer:
  lines w0.5: -146.801,-55.703 -146.801,105.72 37.199,105.72 37.199,-55.703 -146.801,-55.703

## Other copper
Top Layer:
  rectangle net GND_???: 29.32,3.579 31.86,6.119
  rectangle net VCC_5V: 29.32,8.659 31.86,11.199
  rectangle net GND_???: 29.32,13.739 31.86,16.279
  rectangle net VCC_12V: 29.32,18.819 31.86,21.359
  pour cut-out: 2.505,11.75 4.349,11.75 4.349,10.893 2.505,10.897
  pour cut-out: 2.83,15.8 1.492,15.8 1.492,12.8 2.83,12.8
  pour cut-out: 2.83,19.8 1.492,19.8 1.492,16.8 2.83,16.8
  pour cut-out: 8.63,15.8 9.968,15.8 9.968,12.8 8.63,12.8
  pour cut-out: 8.63,19.8 9.968,19.8 9.968,16.8 8.63,16.8
  pour cut-out: 9.968,19.562 18.342,19.562 18.342,19.962 9.968,19.962
Bottom Layer:
  rectangle net GND_???: 29.32,3.579 31.86,6.119
  rectangle net VCC_5V: 29.32,8.659 31.86,11.199
  rectangle net VCC_12V: 29.32,18.819 31.86,21.359
  rectangle net GND_???: 29.32,13.739 31.86,16.279

## Silkscreen, mask and mechanical layers (free items; w line width, h text height)
Top Overlay:
  lines w0.05: -9.279,-2.879 -9.07,-2.67 ; -8.632,-0.608 -8.279,-0.961 -8.07,-1.17 ; -7.779,-2.879 -7.57,-2.67 ; -5.274,-0.521 -4.92,-0.875 ; -4.129,-0.961 -3.92,-1.17 ; -1.77,-1.17 -0.75,-0.15 ; 31.86,-15.5 31.86,-16.741 33.414,-16.741
  lines w0.2: -146.301,-49.891 36.647,-49.891 ; -146.301,99.909 36.647,99.909
  text "VCC" at 11.5,10.716 h1.5
  text "GND" at 11.5,8.176 h1.5
  text "SWO" at 11.5,5.636 h1.5
  text "SWCLK" at 11.5,3.096 h1.5
  text "RES" at 11.5,0.556 h1.5
  text "SWDIO" at 11.5,-1.984 h1.5
  text "TI" at 22.199,-52.453 h3
  text "REV.ADV.0.1" at 22.199,-54.453 h3